# Altium PCB Keyboard_84.PcbDoc
Units mm, origin at the board's own origin, x right, y up, seen from the top; angles counter-clockwise.
Board outline 304.8 x 114.3 mm, 2 copper layers (Top Layer, Bottom Layer), stack 1.569 mm thick; 237 components, 156 nets, 1009 pads, 0 vias.
Unrouted connection lines stored in the file: 396.
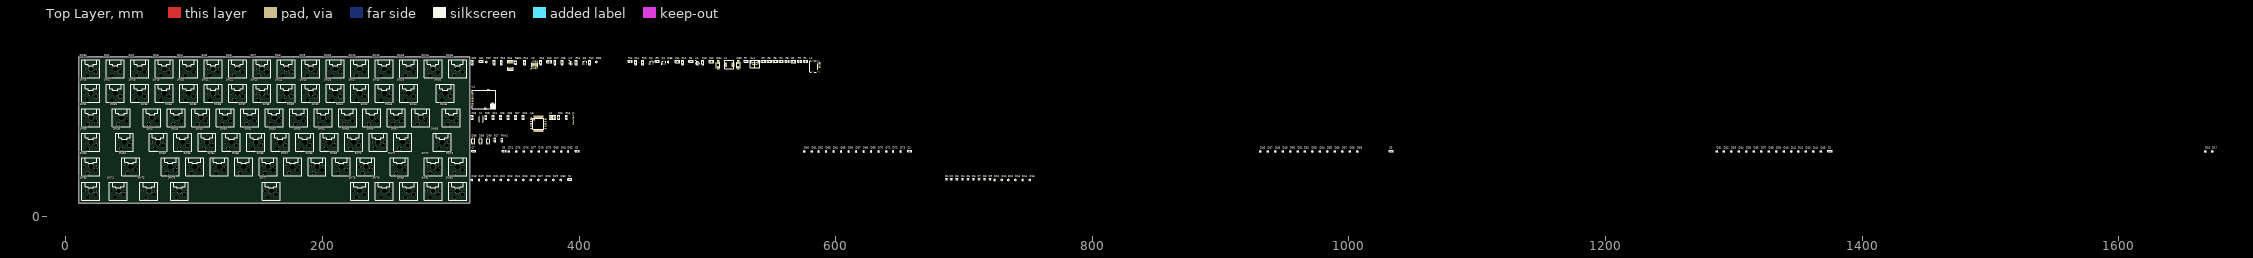
[diagram p0: Top Layer view]
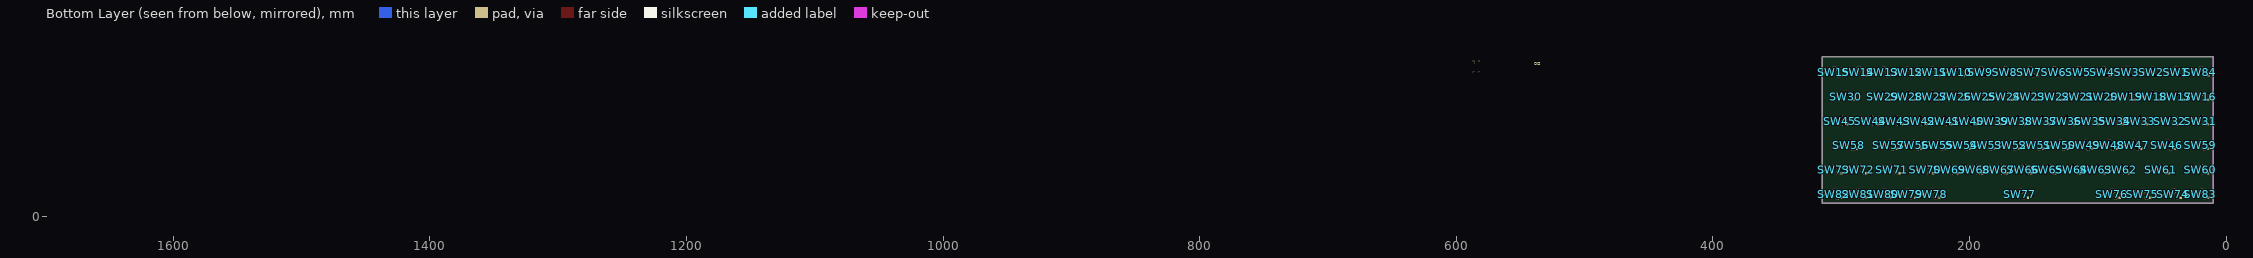
[diagram p1: Bottom Layer view, seen from below]

## Layer stack, top to bottom
Top Solder: solder mask 0.0254, SM-001, Dk 4
Top Layer: signal copper 0.035
Dielectric 1: core 1.4986, Core-043, Dk 4.3
Bottom Layer: signal copper 0.035
Bottom Solder: solder mask 0.0254, SM-001, Dk 4

## Board outline
10,10 10,124.3 314.8,124.3 314.8,10

## Design rules (kind name [scope] priority, off if disabled: settings)
Clearance [All] p1: gap=0.254 ignorepadtopadclearanceinfootprint=FALSE except(0: Arc-Hole Track-Hole SMDPad-Hole THPad-Hole Via-Hole Fill-Hole Poly-Hole Region-Hole Text-Hole)
DiffPairsRouting [All] p1: maxlimit=0.254 minlimit=0.254 mostfreqgap=0.254 toplayer_minwidth=0.381 toplayer_maxwidth=0.381 toplayer_prefwidth=0.381 bottomlayer_minwidth=0.381 bottomlayer_maxwidth=0.381 bottomlayer_prefwidth=0.381 maxuncoupledlength=12.7
PolygonConnect [All] p1: connectstyle=Relief reliefconductorwidth=0.254 reliefentries=4 polygonreliefangle="90 Angle" airgapwidth=0.254
RoutingVias [All] p1: holewidth=0.711 width=1.27 viastyle="Through Hole" minholewidth=0.711 minwidth=1.27 maxholewidth=0.711 maxwidth=1.27
SolderMaskExpansion [All] p1: expansion=0.102 istentingtop=FALSE
Width [All] p1: maxlimit=0.254 minlimit=0.254 preferedwidth=0.254
29 further rules are at their usual default settings.

## Classes and differential pairs
component class POWER: C8 C9 C10 C11 C12 C13 C14 C15 C16 C17 C18 C19 C20 C21 D83 D84 D85 D86 D87 L1 L2 Q1 Q2 Q3 R1 R2 R3 R4 R5 R6 R7 R8 R9 R10 R11 R12 R13 R14 R15 R16 RED1 SW84 U1 U2 U3 XH1
component class NRF24L01: U4
component class MCU: C22 C23 C24 C25 C26 C27 C28 J1 K1 R18 R19 U5 X1
component class LED: D88 D89 D90 PINK1 R17
component class KEY_Pad: C1 C2 C3 C4 C5 C6 C7 D1 D2 D3 D4 D5 D6 D7 D8 D9 D10 D11 D12 D13 D14 D15 D16 D17 D18 D19 D20 D21 D22 D23 D24 D25 D26 D27 D28 D29 D30 D31 D32 D33 D34 D35 D36 D37 D38 D39 D40 D41 D42 D43 D44 D45 D46 D47 D48 D49 D50 D51 D52 D53 D54 D55 D56 D57 D58 D59 D60 D61 D62 D63 D64 D65 D66 D67 D68 D69 D70 D71 D72 D73 D74 D75 D76 D77 D78 D79 D80 D81 D82 SW1 SW2 SW3 SW4 SW5 SW6 SW7 SW8 SW9 SW10 SW11 SW12 SW13 SW14 SW15 SW16 SW17 SW18 SW19 SW20 SW21 SW22 SW23 SW24 SW25 SW26 SW27 SW28 SW29 SW30 SW31 SW32 SW33 SW34 SW35 SW36 SW37 SW38 SW39 SW40 SW41 SW42 SW43 SW44 SW45 SW46 SW47 SW48 SW49 SW50 SW51 SW52 SW53 SW54 SW55 SW56 SW57 SW58 SW59 SW60 SW61 SW62 SW63 SW64 SW65 SW66 SW67 SW68 SW69 SW70 SW71 SW72 SW73 SW74 SW75 SW76 SW77 SW78 SW79 SW80 SW81 SW82 SW83
differential pair USBIN: +USBIN_P -USBIN_N
differential pair USB_MCU_TYPEC: +USB_MCU_TYPEC_P -USB_MCU_TYPEC_N

## Components (designator, comment, footprint, x,y, rotation, side; value= is the part's Value field where it differs from the comment)
C1 "104" Cap-0603 392.862,28.727 r0 top
C2 "104" Cap-0603 1374.953,50.8 r0 top
C3 "104" Cap-0603 1032.916,50.8 r0 top
C4 "104" Cap-0603 657.682,50.8 r0 top
C5 "104" Cap-0603 398.602,50.8 r0 top
C6 "104" Cap-0603 341.757,50.8 r0 top
C7 "104" Cap-0603 317.805,50.8 r0 top
C8 "22uF" Cap-0805 567.182,120.371 r0 top
C9 "104" Cap-0603 543.789,120.625 r0 top
C10 "22uF" Cap-0805 503.276,120.371 r0 top
C11 "22uF" Cap-0805 476.733,120.371 r0 top
C12 "104" Cap-0603 480.746,119.761 r90 top
C13 "104" Cap-0603 496.545,119.761 r90 top
C14 "104" Cap-0603 444.119,119.761 r90 top
C15 "104" Cap-0603 386.817,119.761 r90 top
C16 "22uF" Cap-0805 376.758,120.371 r0 top
C17 "104" Cap-0603 381.229,119.761 r90 top
C18 "10nf" Cap-0603 370.027,119.761 r90 top
C19 "104" Cap-0603 333.934,119.761 r90 top
C20 "104" Cap-0603 316.89,119.761 r90 top
C21 "104" Cap-0603 323.647,120.625 r0 top
C22 "22pF" Cap-0603 384.302,77.064 r90 top
C23 "22pF" Cap-0603 356.54,77.064 r90 top
C24 "104" Cap-0603 333.146,77.064 r90 top
C25 "104" Cap-0603 338.988,77.064 r90 top
C26 "104" Cap-0603 344.83,77.064 r90 top
C27 "104" Cap-0603 350.698,77.064 r90 top
C28 "104" Cap-0603 316.89,77.064 r90 top
D1 "1N4148" SOD-523 685.622,29.439 r0 top
D2 "1N4148" SOD-523 689.458,29.439 r0 top
D3 "1N4148" SOD-523 693.776,29.439 r0 top
D4 "1N4148" SOD-523 698.119,29.439 r0 top
D5 "1N4148" SOD-523 702.437,29.439 r0 top
D6 "1N4148" SOD-523 706.755,29.439 r0 top
D7 "1N4148" SOD-523 711.073,29.439 r0 top
D8 "1N4148" SOD-523 715.416,29.439 r0 top
D9 "1N4148" SOD-523 719.734,29.439 r0 top
D10 "1N4148" SOD-523 723.519,27.635 r90 top
D11 "1N4148" SOD-523 729.132,27.635 r90 top
D12 "1N4148" SOD-523 734.212,27.635 r90 top
D13 "1N4148" SOD-523 739.826,27.635 r90 top
D14 "1N4148" SOD-523 745.414,27.635 r90 top
D15 "1N4148" SOD-523 751.027,27.635 r90 top
D16 "1N4148" SOD-523 1667.18,49.708 r90 top
D17 "1N4148" SOD-523 1672.768,49.708 r90 top
D18 "1N4148" SOD-523 316.205,27.635 r90 top
D19 "1N4148" SOD-523 321.818,27.635 r90 top
D20 "1N4148" SOD-523 327.406,27.635 r90 top
D21 "1N4148" SOD-523 333.248,27.635 r90 top
D22 "1N4148" SOD-523 338.607,27.635 r90 top
D23 "1N4148" SOD-523 344.449,27.635 r90 top
D24 "1N4148" SOD-523 350.317,27.635 r90 top
D25 "1N4148" SOD-523 356.159,27.635 r90 top
D26 "1N4148" SOD-523 362.026,27.635 r90 top
D27 "1N4148" SOD-523 367.868,27.635 r90 top
D28 "1N4148" SOD-523 373.736,27.635 r90 top
D29 "1N4148" SOD-523 379.578,27.635 r90 top
D30 "1N4148" SOD-523 385.42,27.635 r90 top
D31 "1N4148" SOD-523 1286.586,49.708 r90 top
D32 "1N4148" SOD-523 1291.946,49.708 r90 top
D33 "1N4148" SOD-523 1297.788,49.708 r90 top
D34 "1N4148" SOD-523 1303.655,49.708 r90 top
D35 "1N4148" SOD-523 1309.497,49.708 r90 top
D36 "1N4148" SOD-523 1315.339,49.708 r90 top
D37 "1N4148" SOD-523 1321.206,49.708 r90 top
D38 "1N4148" SOD-523 1327.048,49.708 r90 top
D39 "1N4148" SOD-523 1332.916,49.708 r90 top
D40 "1N4148" SOD-523 1338.758,49.708 r90 top
D41 "1N4148" SOD-523 1344.625,49.708 r90 top
D42 "1N4148" SOD-523 1349.959,49.708 r90 top
D43 "1N4148" SOD-523 1355.801,49.708 r90 top
D44 "1N4148" SOD-523 1361.669,49.708 r90 top
D45 "1N4148" SOD-523 1367.511,49.708 r90 top
D46 "1N4148" SOD-523 930.631,49.708 r90 top
D47 "1N4148" SOD-523 936.498,49.708 r90 top
D48 "1N4148" SOD-523 942.34,49.708 r90 top
D49 "1N4148" SOD-523 948.182,49.708 r90 top
D50 "1N4148" SOD-523 954.049,49.708 r90 top
D51 "1N4148" SOD-523 959.891,49.708 r90 top
D52 "1N4148" SOD-523 965.251,49.708 r90 top
D53 "1N4148" SOD-523 971.093,49.708 r90 top
D54 "1N4148" SOD-523 976.96,49.708 r90 top
D55 "1N4148" SOD-523 982.802,49.708 r90 top
D56 "1N4148" SOD-523 988.644,49.708 r90 top
D57 "1N4148" SOD-523 994.512,49.708 r90 top
D58 "1N4148" SOD-523 1000.354,49.708 r90 top
D59 "1N4148" SOD-523 1006.221,49.708 r90 top
D60 "1N4148" SOD-523 575.183,49.708 r90 top
D61 "1N4148" SOD-523 581.025,49.708 r90 top
D62 "1N4148" SOD-523 586.384,49.708 r90 top
D63 "1N4148" SOD-523 592.226,49.708 r90 top
D64 "1N4148" SOD-523 598.094,49.708 r90 top
D65 "1N4148" SOD-523 603.936,49.708 r90 top
D66 "1N4148" SOD-523 609.778,49.708 r90 top
D67 "1N4148" SOD-523 615.645,49.708 r90 top
D68 "1N4148" SOD-523 621.487,49.708 r90 top
D69 "1N4148" SOD-523 627.355,49.708 r90 top
D70 "1N4148" SOD-523 633.197,49.708 r90 top
D71 "1N4148" SOD-523 639.064,49.708 r90 top
D72 "1N4148" SOD-523 644.398,49.708 r90 top
D73 "1N4148" SOD-523 650.265,49.708 r90 top
D74 "1N4148" SOD-523 344.856,49.708 r90 top
D75 "1N4148" SOD-523 350.698,49.708 r90 top
D76 "1N4148" SOD-523 356.565,49.708 r90 top
D77 "1N4148" SOD-523 362.407,49.708 r90 top
D78 "1N4148" SOD-523 368.275,49.708 r90 top
D79 "1N4148" SOD-523 374.117,49.708 r90 top
D80 "1N4148" SOD-523 379.984,49.708 r90 top
D81 "1N4148" SOD-523 385.826,49.708 r90 top
D82 "1N4148" SOD-523 391.16,49.708 r90 top
D83 "SS34" Doide-SMA 524.154,117.678 r90 top
D84 "SS34" Doide-SMA 508.432,117.678 r90 top
D85 "1N4148" SOD-523 469.087,119.532 r90 top
D86 "1N4148" SOD-523 413.207,119.532 r90 top
D87 "1N4148" SOD-523 327.406,119.532 r90 top
D88 "WS2812" RGB_LED_1206 317.525,58.471 r90 top
D89 "WS2812" RGB_LED_1206 323.367,58.471 r90 top
D90 "WS2812" RGB_LED_1206 329.209,58.471 r90 top
J1 "DEBUG_POINT_6" DEBUG_POINT_6 395.63,75.032 r90 top
K1 "KEY_4P" SW-SMD-3X4X2.5 323.723,75.54 r90 top
L1 "Micro-USB3.1_TYPE-C" USB3.0-TYPEC-12P 587.299,119.736 r0 top
L2 "4.7uH" L-MHC0603 517.093,118.059 r0 top
PINK1 "LED_SYSTEM" LED_0603_R 339.954,59.487 r90 top
Q1 "CJ3401" SOT23-3 466.192,119.71 r0 top
Q2 "CJ3401" SOT23-3 456.641,119.71 r0 top
Q3 "SI2302" SOT23-3 404.724,119.71 r0 top
R1 "1K5" Res-0603 576.682,120.675 r0 top
R2 "22R" Res-0603 572.059,120.675 r0 top
R3 "22R" Res-0603 562.305,120.675 r0 top
R4 "10K/1%" Res-0603 557.682,120.675 r0 top
R5 "5K1" Res-0603 553.06,120.675 r0 top
R6 "10K/1%" Res-0603 548.437,120.675 r0 top
R7 "10K" Res-0603 530.2,120.675 r0 top
R8 "10K" Res-0603 487.223,120.675 r0 top
R9 "73.2K/1%" Res-0603 461.086,120.675 r0 top
R10 "100K" Res-0603 449.707,119.761 r90 top
R11 "10K/1%" Res-0603 439.877,120.675 r0 top
R12 "1K" Res-0603 408.305,119.761 r90 top
R13 "10K" Res-0603 397.789,119.761 r90 top
R14 "2K" Res-0603 357.581,119.761 r90 top
R15 "0.39R" Res-1812 346.456,117.577 r90 top
R16 "4.7K" Res-0603 339.522,119.761 r90 top
R17 "4.7K" Res-0603 334.416,59.538 r90 top
R18 "10K" Res-0603 390.144,77.064 r90 top
R19 "10K" Res-0603 327.533,77.064 r90 top
RED1 "POWER" LED_0603_R 350.672,119.71 r90 top
SW1 "Back" MX_SW-4 38.574,114.776 r0 top
SW2 "F1" MX_SW-4 57.624,114.776 r0 top
SW3 "F2" MX_SW-4 76.707,114.743 r0 top
SW4 "F3" MX_SW-4 95.724,114.776 r0 top
SW5 "F4" MX_SW-4 114.774,114.776 r0 top
SW6 "F5" MX_SW-4 133.824,114.776 r0 top
SW7 "F6" MX_SW-4 152.874,114.776 r0 top
SW8 "F7" MX_SW-4 171.924,114.776 r0 top
SW9 "F8" MX_SW-4 190.974,114.776 r0 top
SW10 "F9" MX_SW-4 210.024,114.776 r0 top
SW11 "F10" MX_SW-4 229.074,114.776 r0 top
SW12 "F11" MX_SW-4 248.124,114.776 r0 top
SW13 "F12" MX_SW-4 267.174,114.776 r0 top
SW14 "Home" MX_SW-4 286.224,114.776 r0 top
SW15 "End" MX_SW-4 305.274,114.776 r0 top
SW16 "Ins" MX_SW-4 19.524,95.726 r0 top
SW17 "~" MX_SW-4 38.574,95.726 r0 top
SW18 "1" MX_SW-4 57.624,95.726 r0 top
SW19 "2" MX_SW-4 76.674,95.726 r0 top
SW20 "3" MX_SW-4 95.724,95.726 r0 top
SW21 "4" MX_SW-4 114.774,95.726 r0 top
SW22 "5" MX_SW-4 133.824,95.726 r0 top
SW23 "6" MX_SW-4 152.874,95.726 r0 top
SW24 "7" MX_SW-4 171.924,95.726 r0 top
SW25 "8" MX_SW-4 190.974,95.726 r0 top
SW26 "9" MX_SW-4 210.024,95.726 r0 top
SW27 "0" MX_SW-4 229.074,95.726 r0 top
SW28 "-" MX_SW-4 248.124,95.726 r0 top
SW29 "+" MX_SW-4 267.174,95.726 r0 top
SW30 "Back" MX_SW-4 295.749,95.726 r0 top
SW31 "1" MX_SW-4 19.524,76.676 r0 top
SW32 "Tab" MX_SW-4 43.337,76.676 r0 top
SW33 "Q" MX_SW-4 67.149,76.676 r0 top
SW34 "W" MX_SW-4 86.199,76.676 r0 top
SW35 "E" MX_SW-4 105.249,76.676 r0 top
SW36 "R" MX_SW-4 124.299,76.676 r0 top
SW37 "T" MX_SW-4 143.349,76.676 r0 top
SW38 "Y" MX_SW-4 162.399,76.676 r0 top
SW39 "U" MX_SW-4 181.449,76.676 r0 top
SW40 "I" MX_SW-4 200.499,76.676 r0 top
SW41 "O" MX_SW-4 219.549,76.676 r0 top
SW42 "P" MX_SW-4 238.599,76.676 r0 top
SW43 "{" MX_SW-4 257.649,76.676 r0 top
SW44 "}" MX_SW-4 276.699,76.676 r0 top
SW45 "\" MX_SW-4 300.512,76.676 r0 top
SW46 "1" MX_SW-4 45.718,57.626 r0 top
SW47 "A" MX_SW-4 71.912,57.626 r0 top
SW48 "S" MX_SW-4 90.962,57.626 r0 top
SW49 "D" MX_SW-4 110.012,57.626 r0 top
SW50 "F" MX_SW-4 129.062,57.626 r0 top
SW51 "G" MX_SW-4 148.112,57.626 r0 top
SW52 "H" MX_SW-4 167.162,57.626 r0 top
SW53 "J" MX_SW-4 186.212,57.626 r0 top
SW54 "K" MX_SW-4 205.262,57.626 r0 top
SW55 "L" MX_SW-4 224.312,57.626 r0 top
SW56 ";" MX_SW-4 243.362,57.626 r0 top
SW57 "'" MX_SW-4 262.412,57.626 r0 top
SW58 "Enter" MX_SW-4 293.368,57.626 r0 top
SW59 "Caps Lock" MX_SW-4 19.524,57.626 r0 top
SW60 "1" MX_SW-4 19.524,38.576 r0 top
SW61 "Shift" MX_SW-4 50.481,38.576 r0 top
SW62 "Z" MX_SW-4 81.437,38.576 r0 top
SW63 "X" MX_SW-4 100.487,38.576 r0 top
SW64 "C" MX_SW-4 119.537,38.576 r0 top
SW65 "V" MX_SW-4 138.587,38.576 r0 top
SW66 "B" MX_SW-4 157.637,38.576 r0 top
SW67 "N" MX_SW-4 176.687,38.576 r0 top
SW68 "M" MX_SW-4 195.737,38.576 r0 top
SW69 "," MX_SW-4 214.787,38.576 r0 top
SW70 "." MX_SW-4 233.837,38.576 r0 top
SW71 "Shift" MX_SW-4 260.03,38.575 r0 top
SW72 "up" MX_SW-4 286.224,38.575 r0 top
SW73 "/" MX_SW-4 305.274,38.575 r0 top
SW74 "Ctrl" MX_SW-4 40.956,19.526 r0 top
SW75 "Win" MX_SW-4 64.767,19.526 r0 top
SW76 "Alt" MX_SW-4 88.581,19.526 r0 top
SW77 "Space" MX_SW-4 160.017,19.526 r0 top
SW78 "Alt" MX_SW-4 229.074,19.525 r0 top
SW79 "Ctrl" MX_SW-4 248.124,19.525 r0 top
SW80 "left" MX_SW-4 267.174,19.525 r0 top
SW81 "dowm" MX_SW-4 286.224,19.525 r0 top
SW82 "right" MX_SW-4 305.274,19.525 r0 top
SW83 "1" MX_SW-4 19.524,19.526 r0 top
SW84 "ESC" MX_SW-4 19.525,114.776 r0 top
U1 "SX1308" SX1308 492.328,119.405 r0 top
U2 "SPX3819" SOT23-5 393.675,119.405 r0 top
U3 "TP4056" TP4056 363.474,115.341 r0 top
U4 "NRF24L01P" NRF24L01P 316.941,91.084 r0 top
U5 "STM32F103Rx" STM-LQFP64_N 368.325,72.034 r0 top
X1 "8M" "OSC 5032-2P" 379.273,77.064 r0 top
XH1 "BAT_IN" XH2/2.54mm/180 535.686,118.974 r0 top

## Footprints (in the part's own frame and the unit in brackets; to place one, negate y for a bottom-side part, rotate by r counter-clockwise, add the part's x,y. Pads: shape width x height; smd on the part's side, far side on the other; paste and mask are expansions set on the pad)
Cap-0603 [mm]
  rect 1.1x1 smd: 1(-0.85,0) 2(0.85,0)
  silkscreen extent -1.63,-0.74 1.63,0.74, body extent -0.8,-0.4 0.8,0.4, height 0.6
Cap-0805 [mm]
  rect 1.3x1.5 smd: 1(-0.95,0) 2(0.95,0)
  silkscreen extent -1.85,-0.99 1.85,0.99, body extent -1,-0.6 1,0.6, height 0.95
DEBUG_POINT_6 [mm]
  oval 0.9x1.2 smd: 1(-3.175,0) 2(-1.905,0) 3(-0.635,0) 4(0.635,0) 5(1.905,0) 6(3.175,0)
Doide-SMA [mm] "贴片二极管"
  rect 2.5x1.75 smd: A(-2.032,0) K(2.032,0)
  silkscreen extent -2.29,-1.4 3.68,1.4, body extent -2.74,-1.4 2.74,1.4, height 2.27
L-MHC0603 [mm]
  rect 2.35x3.5 smd: 1(-3.025,0) 2(3.025,0)
  silkscreen extent -3.65,-3.3 3.65,3.3, body extent -3.65,-3.3 3.65,3.3, height 3
LED_0603_R [mm]
  rect 0.7x1 smd: 1(-0.85,0) 2(0.85,0)
  silkscreen extent -1.4,-0.69 1.75,0.69, body extent -0.8,-0.4 0.8,0.41, height 0.61
MX_SW-4 [mm] "with Fixation pins  1-Pole"
  rect 1.8x1.8 smd far side: 1(6.96,-2.54) 2(-5.64,-5.08)
  round 1.8 hole 1.8: ""(-5.08,0) ""(5.08,0)
  round 3 hole 3: ""(-2.54,-5.08) ""(3.81,-2.54)
  round 4.064 hole 4.064: ""(0,0)
  silkscreen extent -7,-7 7,7, body extent -9,-8.98 9,9.02, height 23.25
NRF24L01P [mm]
  rect 1.8x1.8 smd: 0(10.033,-7.264) 0(12.247,7.288)
  rect 1.5x0.8 smd: 1(0,4.445) 2(0,3.175) 3(0,1.905) 4(0,0.635) 5(0,-0.635) 6(0,-1.905) 7(0,-3.175) 8(0,-4.445)
  silkscreen extent 0,-7.2 18.11,7.2, body extent 0,-7.21 18.03,7.19, height 0.8
"OSC 5032-2P" [mm]
  rect 2.2x2.4 smd: 1(-1.75,0) 2(1.75,0)
  silkscreen extent -2.5,-1.6 2.5,1.6, body extent -2.5,-1.52 2.5,1.68, height 0.86
Res-0603 [mm]
  rect 1.1x1 smd: 1(-0.85,0) 2(0.85,0)
  silkscreen extent -1.6,-0.71 1.6,0.71, body extent -0.8,-0.4 0.8,0.4, height 0.38
Res-1812 [mm]
  rect 2x3.6 smd: 1(-2.54,0) 2(2.54,0)
  silkscreen extent -3.78,-2.06 3.78,2.06, body extent -2.25,-1.6 2.25,1.6, height 0.7
RGB_LED_1206 [mm]
  rect 1.524x1 smd: 1(-1.9,0.675) 2(-1.9,-0.675) 3(1.9,-0.675) 4(1.9,0.675)
  silkscreen extent -1.6,-1.35 1.6,1.35, body extent -1.76,-1.4 1.76,1.4, height 0.72
SOD-523 [mm] "塑封二极管"
  rect 0.7x0.9 smd: A(-0.203,-0.425) K(1.473,-0.425)
  silkscreen extent 0,-0.95 1.3,0.1, body extent -0.16,-0.83 1.44,-0.03, height 0.65
SOT23-3 [mm]
  rect 0.9x0.95 smd: 1(-0.95,-1.175) 2(0.95,-1.175) 3(0,1.175)
  silkscreen extent -2.03,-1.14 1.3,1.18, body extent -1.45,-1.4 1.45,1.4, height 1.2
SOT23-5 [mm]
  rect 1.1x0.6 smd: 1(-1.2,0.95) 2(-1.2,0) 3(-1.2,-0.95) 4(1.2,-0.95) 5(1.2,0.95)
  silkscreen extent -1.32,-1.5 0.25,1.92, body extent -1.4,-1.45 1.4,1.45, height 1.2
STM-LQFP64_N [mm] "Thin QFP, 64-Leads, Body 10x10mm, Pitch 0.5mm, IPC Medium Density"
  oval 1.8x0.3 smd: 1(-5.55,3.75) 2(-5.55,3.25) 3(-5.55,2.75) 4(-5.55,2.25) 5(-5.55,1.75) 6(-5.55,1.25) 7(-5.55,0.75) 8(-5.55,0.25) 9(-5.55,-0.25) 10(-5.55,-0.75) 11(-5.55,-1.25) 12(-5.55,-1.75) 13(-5.55,-2.25) 14(-5.55,-2.75) 15(-5.55,-3.25) 16(-5.55,-3.75) 33(5.55,-3.75) 34(5.55,-3.25) 35(5.55,-2.75) 36(5.55,-2.25) 37(5.55,-1.75) 38(5.55,-1.25) 39(5.55,-0.75) 40(5.55,-0.25) 41(5.55,0.25) 42(5.55,0.75) 43(5.55,1.25) 44(5.55,1.75) 45(5.55,2.25) 46(5.55,2.75) 47(5.55,3.25) 48(5.55,3.75)
  oval 0.3x1.8 smd: 17(-3.75,-5.55) 18(-3.25,-5.55) 19(-2.75,-5.55) 20(-2.25,-5.55) 21(-1.75,-5.55) 22(-1.25,-5.55) 23(-0.75,-5.55) 24(-0.25,-5.55) 25(0.25,-5.55) 26(0.75,-5.55) 27(1.25,-5.55) 28(1.75,-5.55) 29(2.25,-5.55) 30(2.75,-5.55) 31(3.25,-5.55) 32(3.75,-5.55) 49(3.75,5.55) 50(3.25,5.55) 51(2.75,5.55) 52(2.25,5.55) 53(1.75,5.55) 54(1.25,5.55) 55(0.75,5.55) 56(0.25,5.55) 57(-0.25,5.55) 58(-0.75,5.55) 59(-1.25,5.55) 60(-1.75,5.55) 61(-2.25,5.55) 62(-2.75,5.55) 63(-3.25,5.55) 64(-3.75,5.55)
  silkscreen extent -5.67,-4.25 4.25,4.57, body extent -5,-5 5,5, height 1.6
SW-SMD-3X4X2.5 [mm]
  rect 1x0.55 smd: 1(-2.6,1.075) 2(-2.6,-1.075) 3(2.6,-1.075) 4(2.6,1.075)
  silkscreen extent -2.1,-1.7 2.1,1.7, body extent -2.16,-1.75 2.16,1.78, height 0.55
SX1308 [mm]
  rect 1.05x0.6 smd: 1(-1.375,0.95) 2(-1.375,0) 3(-1.375,-0.95) 4(1.375,-0.95) 5(1.375,0) 6(1.375,0.95)
  silkscreen extent -1.5,-1.5 0.45,1.92, body extent -0.85,-1.5 0.85,1.5, height 1.45
TP4056 [mm]
  oval 0.6x1.6 smd: 1(0,0) 2(1.27,0) 3(2.54,0) 4(3.81,0) 5(3.81,5.2) 6(2.54,5.2) 7(1.27,5.2) 8(0,5.2)
  rect 4x2.9 smd: 9(1.905,2.6)
  silkscreen extent -0.94,-0.45 4.31,4.1, body extent -0.55,-0.4 4.35,5.6, height 1.7
USB3.0-TYPEC-12P [mm]
  oval 1.6x1 hole 0.6 slot 1.2 at 0 deg: 0(-5.095,-7.52) 0(-5.095,1.12)
  oval 2.1x1 hole 0.6 slot 1.7 at 0 deg: 0(-0.915,-7.52) 0(-0.915,1.12)
  round 0.66 hole 0.66: 4(-1.415,-6.09) 4(-1.415,-0.31)
  rect 1.45x0.6 smd: A1B12(0,0) A4B9(0,-0.8) B1A12(0,-6.4) B4A9(0,-5.6)
  rect 1.45x0.3 smd: A5(0,-1.95) A6(0,-2.95) A7(0,-3.45) A8(0,-4.45) B5(0,-4.95) B6(0,-3.95) B7(0,-2.45) B8(0,-1.45)
  silkscreen extent -7.57,-7.7 -1.25,1.3
XH2/2.54mm/180 [mm]
  rect 1.8x2.5 hole 1: 1(0,0)
  oval 1.8x2.5 hole 1: 2(2.54,0)
  silkscreen extent -2.43,-3.4 4.97,2.35, body extent -2.43,-3.4 4.97,2.35, height 7

## Part data
C1 C2 C3 C4 C5 C6 C7 C8 C9 C10 C11 C12 C13 C14 C15 C16 C17 C19 C20 C21 C22 C23 C24 C25 C26 C27 C28: library part CAP, "贴片陶瓷电容"
C18: library part Cap
D1 D2 D3 D4 D5 D6 D7 D8 D9 D10 D11 D12 D13 D14 D15 D16 D17 D18 D19 D20 D21 D22 D23 D24 D25 D26 D27 D28 D29 D30 D31 D32 D33 D34 D35 D36 D37 D38 D39 D40 D41 D42 D43 D44 D45 D46 D47 D48 D49 D50 D51 D52 D53 D54 D55 D56 D57 D58 D59 D60 D61 D62 D63 D64 D65 D66 D67 D68 D69 D70 D71 D72 D73 D74 D75 D76 D77 D78 D79 D80 D81 D82 D83 D84 D85 D86 D87: library part DIODE, "普通二极管"
L2: library part INDUCTOR-SMD, "贴片屏蔽电感"
PINK1: library part LED_SMD_PINK, "发光二极管", Package=0603, SuppliersPartNumber=C2286, ComponentLink1Description=供应商链接, ComponentLink1URL=http://www.szlcsc.com/product/details_2659.html, Supplier=LC
Q1 Q2: library part MOSFET-P2, "P-Channel MOSFET", PackageDocument=1995/1996, LatestRevisionDate=17-Jul-2002, LatestRevisionNote="Re-released for DXP Platform.", PackageReference=E3, Published=8-Jun-2000, Publisher="Altium Limited"
Q3: library part MOSFET-N2, "N-Channel MOSFET", PackageDocument=1995/1996, LatestRevisionDate=17-Jul-2002, LatestRevisionNote="Re-released for DXP Platform.", PackageReference=E3, Published=8-Jun-2000, Publisher="Altium Limited"
R1 R2 R3 R4 R5 R6 R7 R8 R9 R10 R11 R12 R13 R14 R15 R16 R17 R18 R19: library part RES, "贴片电阻"
RED1: library part LED_SMD_RED, "发光二极管", Package=0603, SuppliersPartNumber=C2286, ComponentLink1Description=供应商链接, ComponentLink1URL=http://www.szlcsc.com/product/details_2659.html, Supplier=LC
SW1 SW2 SW3 SW4 SW5 SW6 SW7 SW8 SW9 SW10 SW11 SW12 SW13 SW14 SW15 SW16 SW17 SW18 SW19 SW20 SW21 SW22 SW23 SW24 SW25 SW26 SW27 SW28 SW29 SW30 SW31 SW32 SW33 SW34 SW35 SW36 SW37 SW38 SW39 SW40 SW41 SW42 SW43 SW44 SW45 SW46 SW47 SW48 SW49 SW50 SW51 SW52 SW53 SW54 SW55 SW56 SW57 SW58 SW59 SW60 SW61 SW62 SW63 SW64 SW65 SW66 SW67 SW68 SW69 SW70 SW71 SW72 SW73 SW74 SW75 SW76 SW77 SW78 SW79 SW80 SW81 SW82 SW83 SW84: library part MX_SW-4, "with Fixation pins  1-Pole"
U3: library part tp4056
U4: "2.4G无线模块"
X1: library part XTAL-2P, "2脚无源脚晶振"
XH1: library part XH2
D88 D89 D90: PackageReference=RGB_LED_5050, Published=8-August-2017, Publisher=mazhongwei

## Nets (pads, with @x,y where several pads share a name; then routed paths per layer and width w, separated by ;. In a path a pad name is that pad's centre, name@x,y a point inside that pad or via, vN(x,y) a via of type N, cw(c..) or ccw(c..) an arc to the next point about the centre after c; other vN are vias at no path point)
3V3: C16.2 C17.1 C24.2 C25.2 C26.2 C27.2 J1.5 R1.1 R16.2 R19.2 U2.5 U4.1 U5.1 U5.13 U5.19 U5.32 U5.48 U5.64
5V: C10.2 C13.2 C15.2 D83.K D88.3 D89.3 D90.3 R9.2 U2.1 U2.3
ADC_BAT_MCU: C9.2 R4.1 R6.2 U5.15
BAT_IN: C21.2 Q2.3 U3.5 XH1.1
CHARGE_DETECT_TP4056_MCU: C19.2 D87.A U5.56
CHARGE_IN: C20.2 R15.2 U3.4 U3.8
DI_MCU_WS2812: D90.2 U5.50
EXTI_NUMKEY_MCU: C7.1 SW83.1
GND: C1.2 C2.2 C3.2 C4.2 C5.2 C6.2 C7.2 C8.1 C9.1 C10.1 C11.1 C12.1 C13.1 C14.2 C15.1 C16.1 C17.2 C18.1 C19.1 C20.1 C21.1 C22.1 C23.1 C24.1 C25.1 C26.1 C27.1 C28.1 D88.1 D89.1 D90.1 J1.4 K1.4 L1.A1B12 L1.B1A12 PINK1.2 Q3.2 R5.1 R6.1 R7.2 R11.1 R13.2 R14.2 R18.2 RED1.2 SW83.2 SW84.2 U1.2 U2.2 U3.1 U3.3 U3.9 U4.8 U5.12 U5.18 U5.31 U5.47 U5.63 XH1.2
GPIO_CE_MCU_NRF: U4.2 U5.16
GPIO_IRQ_NRF_MCU: U4.7 U5.20
GPIO_MCU_LED: R17.2 U5.55
Green: D87.K U3.6
IN1_KEYPAD_MCU: C6.1 D74.K D75.K D76.K D77.K D78.K D79.K D80.K D81.K D82.K U5.58
IN2_KEYPAD_MCU: C5.1 D60.K D61.K D62.K D63.K D64.K D65.K D66.K D67.K D68.K D69.K D70.K D71.K D72.K D73.K U5.59
IN3_KEYPAD_MCU: C4.1 D46.K D47.K D48.K D49.K D50.K D51.K D52.K D53.K D54.K D55.K D56.K D57.K D58.K D59.K U5.61
IN4_KEYPAD_MCU: C3.1 D31.K D32.K D33.K D34.K D35.K D36.K D37.K D38.K D39.K D40.K D41.K D42.K D43.K D44.K D45.K U5.62
IN5_KEYPAD_MCU: C2.1 D16.K D17.K D18.K D19.K D20.K D21.K D22.K D23.K D24.K D25.K D26.K D27.K D28.K D29.K D30.K
IN6_KEYPAD_MCU: C1.1 D1.K D2.K D3.K D4.K D5.K D6.K D7.K D8.K D9.K D10.K D11.K D12.K D13.K D14.K D15.K
NetC18_2: C18.2 U2.4
NetD1_A: D1.A SW1.1
NetD2_A: D2.A SW2.1
NetD3_A: D3.A SW3.1
NetD4_A: D4.A SW4.1
NetD5_A: D5.A SW5.1
NetD6_A: D6.A SW6.1
NetD7_A: D7.A SW7.1
NetD8_A: D8.A SW8.1
NetD9_A: D9.A SW9.1
NetD10_A: D10.A SW10.1
NetD11_A: D11.A SW11.1
NetD12_A: D12.A SW12.1
NetD13_A: D13.A SW13.1
NetD14_A: D14.A SW14.1
NetD15_A: D15.A SW15.1
NetD16_A: D16.A SW16.1
NetD17_A: D17.A SW17.1
NetD18_A: D18.A SW18.1
NetD19_A: D19.A SW19.1
NetD20_A: D20.A SW20.1
NetD21_A: D21.A SW21.1
NetD22_A: D22.A SW22.1
NetD23_A: D23.A SW23.1
NetD24_A: D24.A SW24.1
NetD25_A: D25.A SW25.1
NetD26_A: D26.A SW26.1
NetD27_A: D27.A SW27.1
NetD28_A: D28.A SW28.1
NetD29_A: D29.A SW29.1
NetD30_A: D30.A SW30.1
NetD31_A: D31.A SW31.1
NetD32_A: D32.A SW32.1
NetD33_A: D33.A SW33.1
NetD34_A: D34.A SW34.1
NetD35_A: D35.A SW35.1
NetD36_A: D36.A SW36.1
NetD37_A: D37.A SW37.1
NetD38_A: D38.A SW38.1
NetD39_A: D39.A SW39.1
NetD40_A: D40.A SW40.1
NetD41_A: D41.A SW41.1
NetD42_A: D42.A SW42.1
NetD43_A: D43.A SW43.1
NetD44_A: D44.A SW44.1
NetD45_A: D45.A SW45.1
NetD46_A: D46.A SW46.1
NetD47_A: D47.A SW59.1
NetD48_A: D48.A SW47.1
NetD49_A: D49.A SW48.1
NetD50_A: D50.A SW49.1
NetD51_A: D51.A SW50.1
NetD52_A: D52.A SW51.1
NetD53_A: D53.A SW52.1
NetD54_A: D54.A SW53.1
NetD55_A: D55.A SW54.1
NetD56_A: D56.A SW55.1
NetD57_A: D57.A SW56.1
NetD58_A: D58.A SW57.1
NetD59_A: D59.A SW58.1
NetD60_A: D60.A SW60.1
NetD61_A: D61.A SW61.1
NetD62_A: D62.A SW62.1
NetD63_A: D63.A SW63.1
NetD64_A: D64.A SW64.1
NetD65_A: D65.A SW65.1
NetD66_A: D66.A SW66.1
NetD67_A: D67.A SW67.1
NetD68_A: D68.A SW68.1
NetD69_A: D69.A SW69.1
NetD70_A: D70.A SW70.1
NetD71_A: D71.A SW71.1
NetD72_A: D72.A SW72.1
NetD73_A: D73.A SW73.1
NetD74_A: D74.A SW74.1
NetD75_A: D75.A SW75.1
NetD76_A: D76.A SW76.1
NetD77_A: D77.A SW77.1
NetD78_A: D78.A SW78.1
NetD79_A: D79.A SW79.1
NetD80_A: D80.A SW80.1
NetD81_A: D81.A SW81.1
NetD82_A: D82.A SW82.1
NetD83_A: D83.A L2.1 U1.1
NetD84_K: D84.K Q1.2 Q2.2 R10.1
NetD85_K: D85.K D86.K SW84.1
NetD86_A: D86.A Q1.1 Q3.3 R10.2
NetD88_2: D88.2 D89.4
NetD89_2: D89.2 D90.4
NetL1_A5: L1.A5 L1.B5 R5.2
NetPINK1_1: PINK1.1 R17.1
NetQ3_1: Q3.1 R12.2
NetR8_2: R8.2 U1.4
NetR9_1: R9.1 R11.2 U1.3
NetR14_1: R14.1 U3.2
NetR16_1: R16.1 RED1.1
NetR18_1: R18.1 U5.60
NRST_MCU_KEY: C28.2 K1.3 R19.1 U5.7
ONOFF_DECTECT_KEY_MCU: C14.1 D85.A U5.14
OSC_MCU_XTAL: C23.2 U5.6 X1.1
OSC_XTAL_MCU: C22.2 U5.5 X1.2
OUT1_MCU_KEYPAD: SW16.2 SW31.2 SW46.2 SW60.2 U5.33
OUT2_MCU_KEYPAD: SW1.2 SW17.2 SW32.2 SW59.2 SW61.2 SW74.2 U5.34
OUT3_MCU_KEYPAD: SW2.2 SW18.2 SW33.2 SW47.2 SW75.2 U5.35
OUT4_MCU_KEYPAD: SW3.2 SW19.2 SW34.2 SW48.2 SW62.2 SW76.2 U5.36
OUT5_MCU_KEYPAD: SW4.2 SW20.2 SW35.2 SW49.2 SW63.2 SW77.2
OUT6_MCU_KEYPAD: SW5.2 SW21.2 SW36.2 SW50.2 SW64.2
OUT7_MCU_KEYPAD: SW6.2 SW22.2 SW37.2 SW51.2 SW65.2
OUT8_MCU_KEYPAD: SW7.2 SW23.2 SW38.2 SW52.2 SW66.2
OUT9_MCU_KEYPAD: SW8.2 SW24.2 SW39.2 SW53.2 SW67.2
OUT10_MCU_KEYPAD: SW9.2 SW25.2 SW40.2 SW54.2 SW68.2
OUT11_MCU_KEYPAD: SW10.2 SW26.2 SW41.2 SW55.2 SW69.2
OUT12_MCU_KEYPAD: SW11.2 SW27.2 SW42.2 SW56.2 SW70.2 SW78.2
OUT13_MCU_KEYPAD: SW12.2 SW28.2 SW43.2 SW57.2 SW71.2 SW79.2
OUT14_MCU_KEYPAD: SW13.2 SW29.2 SW44.2 SW58.2 SW80.2
OUT15_MCU_KEYPAD: SW14.2 SW30.2 SW45.2 SW72.2 SW81.2
OUT16_MCU_KEYPAD: SW15.2 SW73.2 SW82.2
PWR_ONOFF_MCU_SW: R12.1 R13.1 U5.57
Red: U3.7
SPI_CSN_MCU_NRF: U4.3 U5.17
SPI_MISO_NRF_MCU: U4.6 U5.22
SPI_MOSI_MCU_NRF: U4.5 U5.23
SPI_SCK_MCU_NRF: U4.4 U5.21
SWCLK_MCU_DEBUGER: J1.3
SWCLK_MCU_HEADER: U5.49
SWDIO_MCU_DEBUGER: J1.6
SWDIO_MCU_HEADER: U5.46
UART_RX_DEBUGER_MCU: J1.2
UART_RX_HEADER_MCU: U5.43
UART_TX_MCU_DEBUGER: J1.1
UART_TX_MCU_HEADER: U5.42
USB_IN: C8.2 D84.A L1.A4B9 L1.B4A9 Q2.1 R7.1 R15.1
USB_MCU_TYPEC_N: R3.1 U5.44
USB_MCU_TYPEC_P: R2.1 U5.45
USBIN_N: L1.A7 L1.B7 R3.2
USBIN_P: L1.A6 L1.B6 R1.2 R2.2
VCC_IN: C11.2 C12.2 L2.2 Q1.3 R4.2 R8.1 U1.5
pads on no net: D88.4 K1.1 K1.2 L1.0 L1.4 L1.A8 L1.B8 SW1. SW2. SW3. SW4. SW5. SW6. SW7. SW8. SW9. SW10. SW11. SW12. SW13. SW14. SW15. SW16. SW17. SW18. SW19. SW20. SW21. SW22. SW23. SW24. SW25. SW26. SW27. SW28. SW29. SW30. SW31. SW32. SW33. SW34. SW35. SW36. SW37. SW38. SW39. SW40. SW41. SW42. SW43. SW44. SW45. SW46. SW47. SW48. SW49. SW50. SW51. SW52. SW53. SW54. SW55. SW56. SW57. SW58. SW59. SW60. SW61. SW62. SW63. SW64. SW65. SW66. SW67. SW68. SW69. SW70. SW71. SW72. SW73. SW74. SW75. SW76. SW77. SW78. SW79. SW80. SW81. SW82. SW83. SW84. U1.6 U4.0 U5.2 U5.3 U5.4 U5.8 U5.9 U5.10 U5.11 U5.24 U5.25 U5.26 U5.27 U5.28 U5.29 U5.30 U5.37 U5.38 U5.39 U5.40 U5.41 U5.51 U5.52 U5.53 U5.54

## Keep-outs
Keep-Out Layer:
  the board outline again, w0.127

## Silkscreen, mask and mechanical layers (free items; w line width, h text height)
Mechanical 1:
  drawing of 2011 lines, arcs and shapes, not listed